# Altium PCB AMP.PcbDoc (part 5 of 5) (continued)
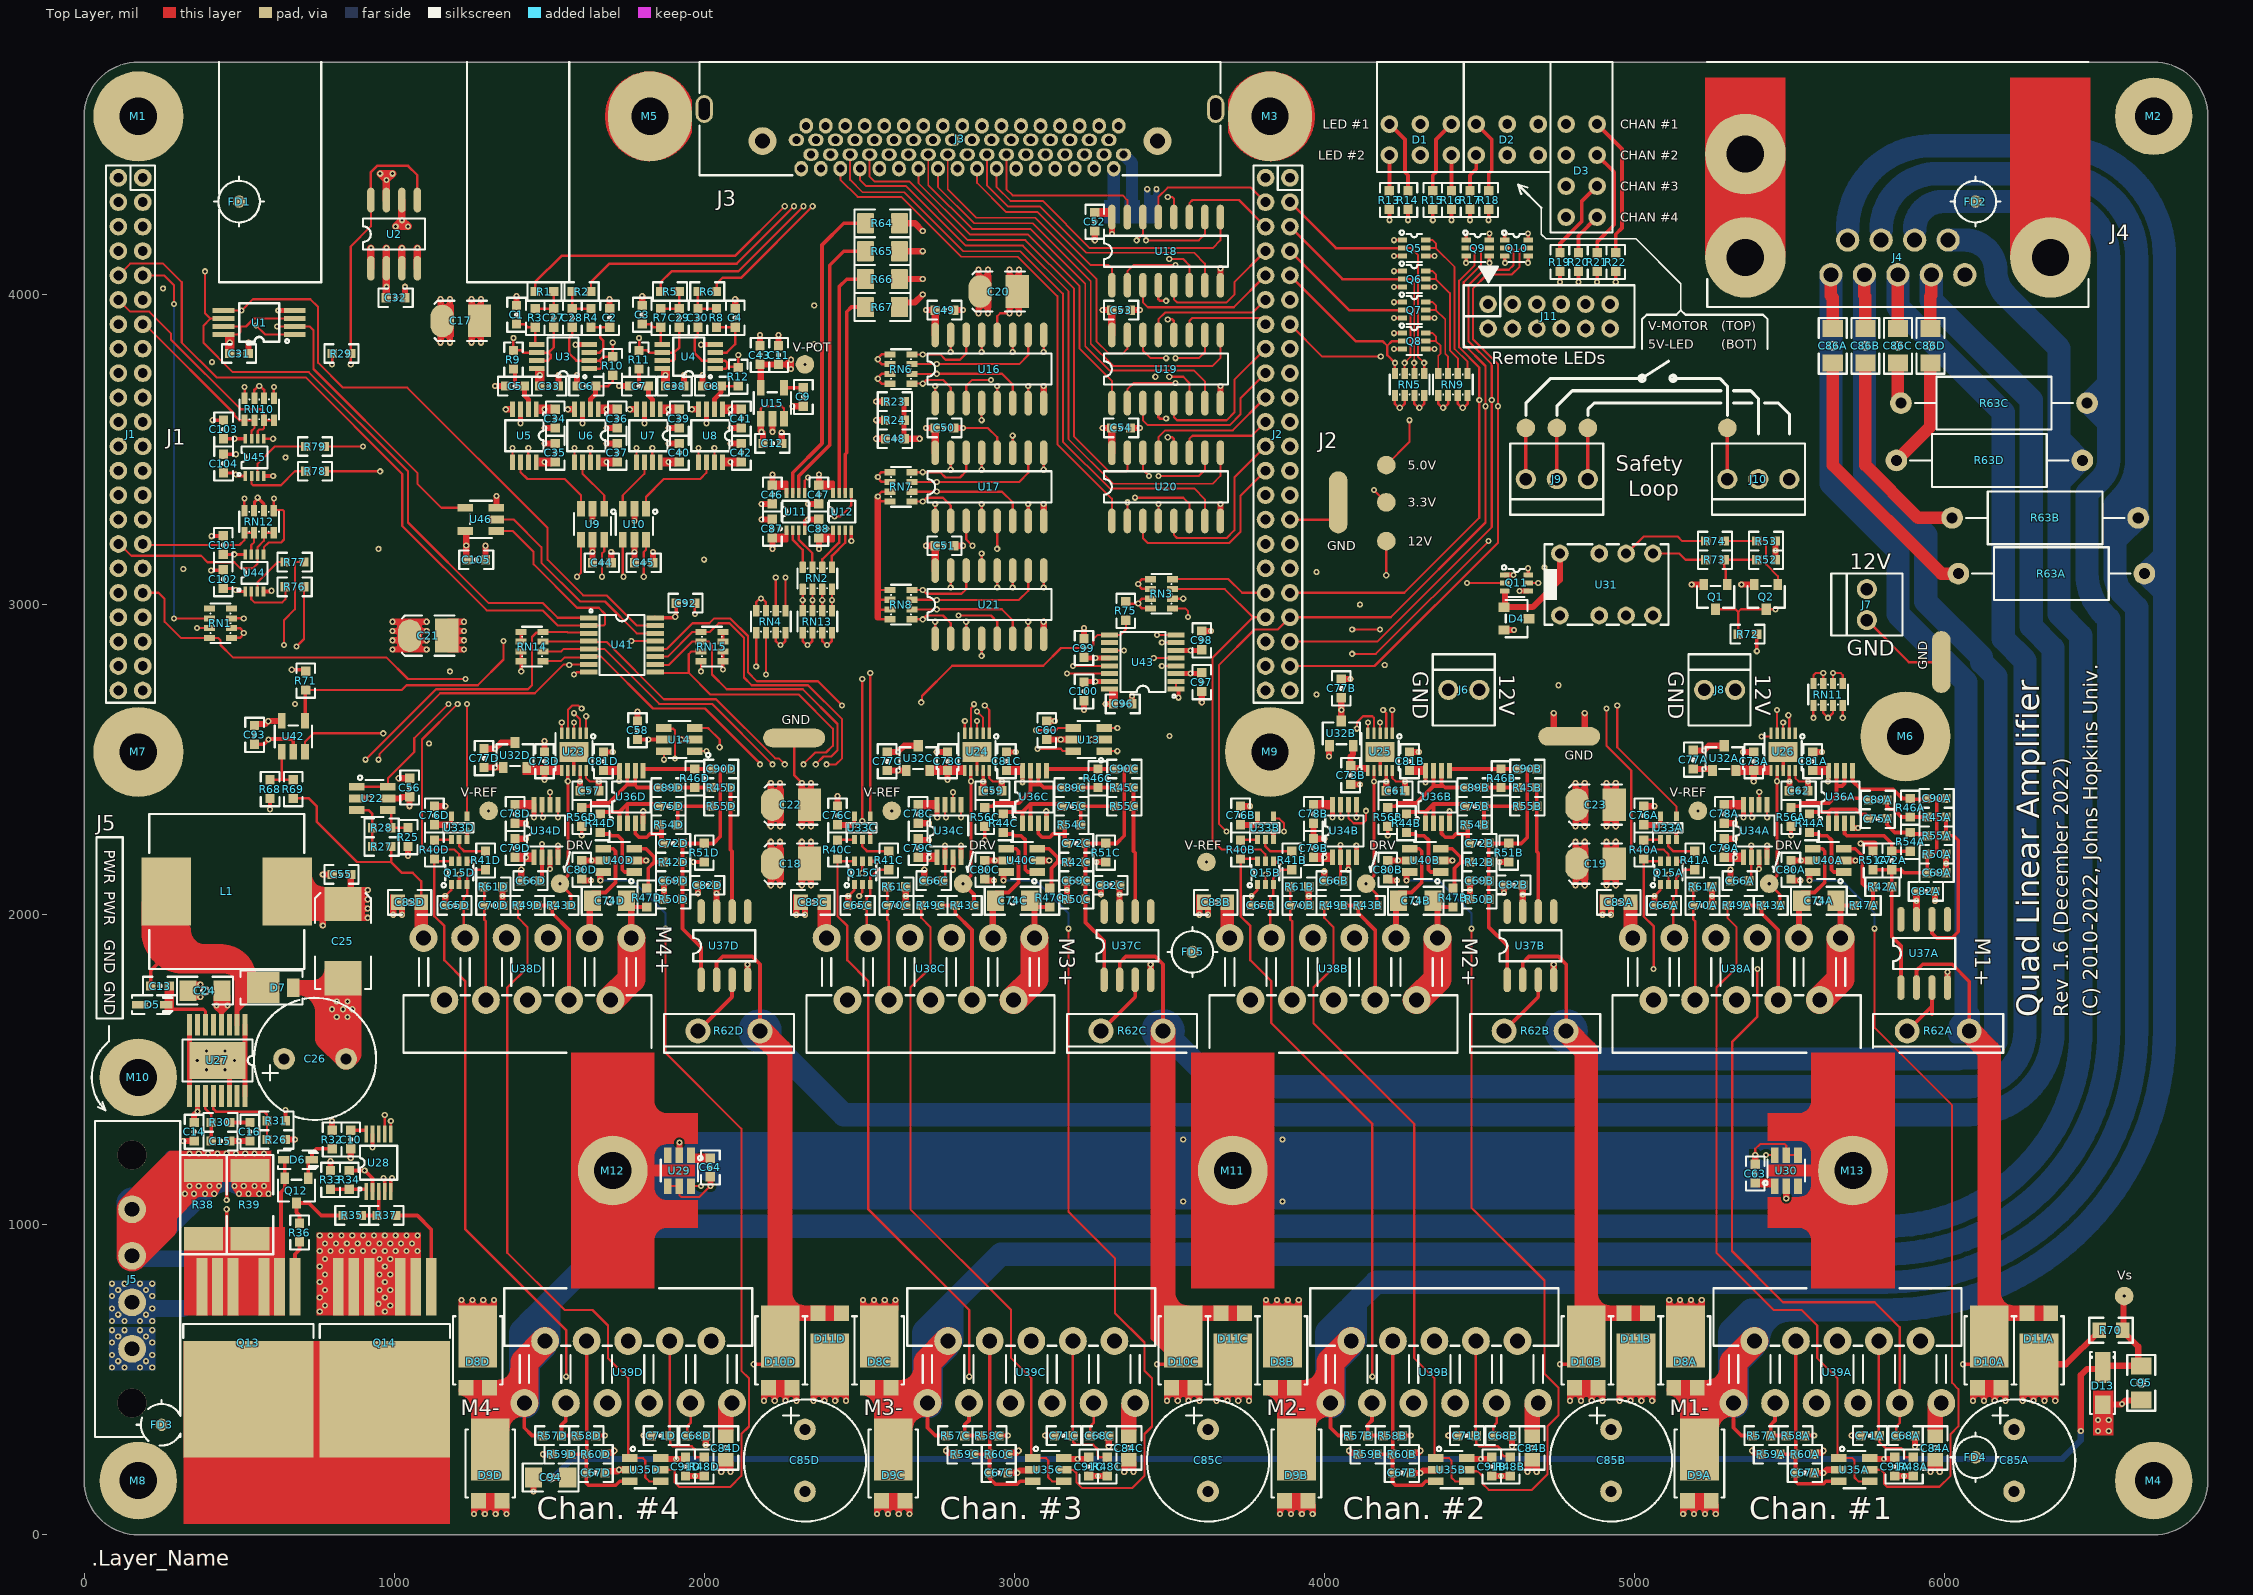
[diagram p0: Top Layer view]
## Polygon pours and split planes (outlines as drawn) (continued)
VCC on InternalPlane3 (split plane): 233 vertices, not listed, extent 20.03,1332.56 6057.44,4729.97
GND on InternalPlane3 (split plane): 6686.06,4729.6 6697.06,4728.42 6707.95,4726.46 6718.67,4723.72 6729.17,4720.23 6739.39,4715.99 6749.28,4711.04 6758.8,4705.39 6767.89,4699.08 6776.5,4692.14 6784.6,4684.6 6792.14,4676.5 6799.08,4667.89 6805.39,4658.8 6811.04,4649.28 6815.99,4639.39 6820.23,4629.17 6823.72,4618.67 6826.46,4607.95 6828.42,4597.06 6829.6,4586.06 6829.97,4575.71 6829.9,4575 6829.9,175 6829.97,174.29 6829.6,163.94 6828.42,152.94 6826.46,142.05 6823.72,131.33 6820.23,120.83 6815.99,110.61 6811.04,100.72 6805.39,91.2 6799.08,82.11 6792.14,73.5 6784.6,65.4 6776.5,57.86 6767.89,50.92 6758.8,44.61 6749.28,38.96 6739.39,34.01 6729.17,29.77 6718.67,26.28 6707.95,23.54 6697.06,21.58 6686.06,20.4 6675.71,20.03 6675,20.1 6417.56,20.1 6417.56,1675 6417.31,1676.96 6416.55,1678.78 6415.35,1680.35 6072.56,2023.13 6072.56,2150 6072.56,2325 6072.58,2325 6072.25,2333.44 6071.26,2341.83 6069.61,2350.11 6067.32,2358.24 6064.39,2366.17 6060.86,2373.84 6056.73,2381.21 6052.04,2388.24 6046.81,2394.87 6041.07,2401.07 6034.87,2406.81 6028.24,2412.04 6021.21,2416.73 6013.84,2420.86 6006.17,2424.39 5998.24,2427.32 5990.11,2429.61 5981.83,2431.26 5973.44,2432.25 5965,2432.58 5965,2432.56 5875,2432.56 5874.67,2432.52 5864.83,2432.87 5854.72,2433.96 5844.71,2435.77 5834.86,2438.28 5825.2,2441.49 5815.81,2445.39 5806.71,2449.94 5797.96,2455.13 5789.61,2460.93 5781.69,2467.31 5774.24,2474.24 5767.31,2481.69 5760.93,2489.61 5755.13,2497.96 5749.94,2506.71 5745.39,2515.81 5741.49,2525.2 5738.28,2534.86 5735.77,2544.71 5733.96,2554.72 5732.87,2564.83 5732.52,2574.67 5732.56,2575 5732.56,2725 5732.58,2725 5732.25,2735.31 5731.24,2745.57 5729.56,2755.74 5727.21,2765.79 5724.22,2775.65 5720.59,2785.3 5716.33,2794.7 5711.47,2803.79 5706.03,2812.55 5700.02,2820.93 5693.48,2828.9 5686.43,2836.43 5678.9,2843.48 5670.93,2850.02 5662.55,2856.03 5653.79,2861.47 5644.7,2866.33 5635.3,2870.59 5625.65,2874.22 5615.79,2877.21 5605.74,2879.56 5595.57,2881.24 5585.31,2882.25 5575,2882.58 5575,2882.56 5017.56,2882.56 5017.56,4729.9 6675,4729.9 6675.71,4729.97
VCC3 on InternalPlane3 (split plane): 226 vertices, not listed, extent 832.56,2222.56 6057.47,4287.44

## Keep-outs
MidLayer1:
  lines w5: 5,175 ccw(c175,175) 175,5 6675,5 ccw(c6675,175) 6845,175 6845,4575 ccw(c6675,4575) 6675,4745 175,4745 ccw(c175,4575) 5,4575 5,175
Bottom Layer:
  lines w5: 5,175 ccw(c175,175) 175,5 6675,5 ccw(c6675,175) 6845,175 6845,4575 ccw(c6675,4575) 6675,4745 175,4745 ccw(c175,4575) 5,4575 5,175

## Other copper
Top Layer:
  rectangle net V-REF1: 5755,2210 5785,2230
  rectangle net VCC3: 3305,2690 3335,2729
  rectangle net GND: 5703.39,2270 5722,2290
  rectangle net GND: 6480,320 6545,465
  rectangle net VCC3: 5580,2450 5625,2480
  rectangle net VCC: 2560,2952.76 2570,2965
  rectangle net PWR-IN: 255,1045 310,1100
  rectangle net PWR-IN: 260,1155 335,1200
  rectangle net VCC: 5300,2340 5345,2370
  rectangle net VCC: 3975,2340 4020,2370
  rectangle net VCC: 2700,2340 2745,2370
  rectangle net VCC: 1400,2340 1445,2370
  rectangle net V-MOTOR: 750,707.5 1087.5,975
  rectangle net NetQ13_4: 320,35 1180,625
  region net PWR-IN: 510,1135 485,1135 485,1115 510,1115
  rectangle net PWR-IN: 410,1115 435,1135
  rectangle net PWR-IN: 475,1125 505,1145
  rectangle net PWR-IN: 415,1125 445,1145
  rectangle net PWR-IN: 225,1090 420,1160
  rectangle net PWR-IN: 500,1090 605,1240
  rectangle net 12V: 710,1980 785,2090
  rectangle net GND: 745,1600 825,1655
  rectangle net NetC13_2: 245,1860 305,1970
  rectangle net /MOTOR4: 1247.5,362.5 1372.5,500
  rectangle net /MOTOR4: 1362.5,380 1420,500
  rectangle net PWR-IN: 180,940 260,1130
  rectangle net PWR-IN: 305,1170 605,1240
  rectangle net NetD6_2: 322.5,707.5 647.5,993
  rectangle net GND: 745,1600 895,1790
  rectangle net GND: 695,1740 765,1790
  region net GND: 5580,1194 5430,1194 5430,1156 5580,1156
  region net GND: 5580,1360 5430,1360 5430,1270 5580,1270
  region net GND: 5580,1068 5430,1068 5430,990 5580,990
  region net GND: 5473,1090 5430,1090 5430,1060 5473,1060
  region net GND: 5580,1090 5507,1090 5507,1060 5580,1060
  rectangle net GND: 1830,1260 1903,1290
  rectangle net GND: 1937,1260 1980,1290
  rectangle net GND: 1830,1282 1980,1360
  rectangle net GND: 1830,990 1980,1080
  rectangle net GND: 1830,1156 1970,1194
  rectangle net GND: 5570,795 5840,1555
  rectangle net GND: 3570,795 3840,1555
  rectangle net GND: 1570,795 1840,1555
  rectangle net MOTOR3: 3440,635 3530,740
  region net VCC3: 2010,1230 1965,1230 1965,1200 2010,1200
  rectangle net VCC3: 5400,1120 5445,1150
  rectangle net V-REF2: 3975,2170 4020,2200
  rectangle net V-REF3: 2700,2170 2745,2200
  rectangle net V-REF4: 1400,2170 1445,2200
  rectangle net V-REF1: 5300,2170 5345,2200
  rectangle net VCC3: 2975,2450 3025,2480
  rectangle net VCC3: 1675,2450 1720,2480
  rectangle net VCC3: 4270,2450 4330,2480
  region net GND: 6165,500 6115,500 6115,450 6165,450
  region net GND: 4865,500 4815,500 4815,450 4865,450
  region net GND: 3565,500 3515,500 3515,450 3565,450
  region net GND: 2265,500 2215,500 2215,450 2265,450
  region net GND: 1330,135 1280,135 1280,85 1330,85
  rectangle net GND: 4887,2013 4894,2065
  rectangle net GND: 3587,2013 3594,2065
  rectangle net GND: 987,2013 994,2065
  rectangle net GND: 2287,2013 2294,2065
  rectangle net /MOTOR1: 5147.5,362.5 5272.5,500
  rectangle net /MOTOR1: 5262.5,380 5320,500
  rectangle net /MOTOR2: 3847.5,362.5 3972.5,500
  rectangle net /MOTOR2: 3962.5,380 4020,500
  rectangle net /MOTOR3: 2662.5,380 2720,500
  rectangle net MOTOR1: 6200,690 6325,740
  rectangle net MOTOR2: 4900,690 5025,740
  rectangle net MOTOR3: 3600,690 3725,740
  rectangle net MOTOR4: 2300,690 2425,740
  region net GND: 1980,3620 1980,3640 1960,3640 1960,3620
  region net GND: 1780,3620 1780,3640 1760,3640 1760,3620
  region net GND: 1380,3620 1380,3640 1360,3640 1360,3620
  region net GND: 1580,3620 1580,3640 1560,3640 1560,3620
  region net VCC: 1890,3715 1890,3760 1860,3760 1860,3715
  region net VCC: 1485,3715 1485,3760 1455,3760 1455,3715
  region net VCC: 2110,3475 2065,3475 2065,3445 2110,3445
  region net V-POT: 2110,3645 2065,3645 2065,3615 2110,3615
  region net VCC: 1910,3475 1865,3475 1865,3445 1910,3445
  region net V-POT: 1910,3645 1865,3645 1865,3615 1910,3615
  region net VCC: 1710,3475 1665,3475 1665,3445 1710,3445
  region net V-POT: 1710,3645 1665,3645 1665,3615 1710,3615
  region net V-POT: 1510,3645 1465,3645 1465,3615 1510,3615
  region net VCC: 1510,3475 1465,3475 1465,3445 1510,3445
  region net VCC3: 485,3820 485,3865 455,3865 455,3820
  rectangle net V-REF4: 1475,2435 1495,2475
  rectangle net V-REF4: 1414,2450 1540,2483
  rectangle net V-MOTOR: 2045,335 2095,425
  rectangle net V-MOTOR: 3345,335 3395,425
  rectangle net V-MOTOR: 4645,335 4695,425
  rectangle net V-MOTOR: 5945,335 5995,425
  region net GND: 2630,135 2580,135 2580,85 2630,85
  region net GND: 3930,135 3880,135 3880,85 3930,85
  region net GND: 5230,135 5180,135 5180,85 5230,85
  rectangle net VCC3: 3265,4250 3315,4280
  rectangle net V-REF3: 2714,2450 2840,2483
  rectangle net V-REF3: 2775,2435 2795,2475
  rectangle net V-REF1: 5375,2430 5395,2470
  rectangle net V-REF1: 5314,2450 5440,2483
  rectangle net V-REF2: 4070,2460 4140,2483
  rectangle net GND: 5228,4120 5488,4700
  rectangle net GND: 6212,4120 6472,4700
  rectangle net NetC13_1: 260,1690 290,1760
  rectangle net /MOTOR3: 2547.5,362.5 2672.5,500
  region net VCC3: 2265.47,3200 2265.47,3230 2225,3230 2225,3200
  region net VCC: 2225,3400 2225,3370 2265.47,3370 2265.47,3400
  region net VCC: 2375,3400 2375,3370 2415.47,3370 2415.47,3400
  region net VCC3: 2415.47,3200 2415.47,3230 2375,3230 2375,3200
  text ".Layer_Name" at 25,-100 h50
MidLayer1:
  rectangle net PWR-IN: 320,1071.79 361.79,1120
  rectangle net PWR-IN: 250,1090 420,1180
  rectangle net PWR-IN: 500,1090 605,1240
  rectangle net PWR-IN: 285,1170 605,1240
  rectangle net PWR-IN: 415,1110 505,1175
  region net GND: 230,680 230,820 80,820 80,680
  region net GND: 230,530 230,670 80,670 80,530
  pour cut-out: 2340,3805 2395,3805 2395,3750 2340,3750
  text ".Layer_Name" at 25,-100 h50
Bottom Layer:
  rectangle net GND: 3460,1050 5370,1300
  rectangle net PWR-IN: 335,1075 355,1105
  rectangle net GND: 5440,1110 5460,1160
  rectangle net GND: 5385,1055 5470,1115
  rectangle net GND: 5360,1060 5400,1165
  rectangle net GND: 5360,1155 5455,1205
  rectangle net GND: 5445,1105 5625,1255
  rectangle net GND: 1755,1095 1900,1290
  rectangle net GND: 2010,1145 2050,1290
  rectangle net GND: 1940,1235 2020,1290
  rectangle net GND: 1890,1100 1970,1245
  rectangle net GND: 1965,1145 2020,1195
  rectangle net GND: 1700,1285 2040,1300
  rectangle net GND: 1705,1050 2050,1105
  rectangle net GND: 5360,1050 5525,1065
  rectangle net GND: 5510,1050 5700,1125
  rectangle net GND: 5355,1245 5705,1300
  rectangle net GND: 2040,1050 3525,1300
  rectangle net PWR-IN: 280,1090 420,1240
  rectangle net PWR-IN: 500,1090 605,1240
  rectangle net PWR-IN: 415,1110 505,1240
  region net GND: 230,680 230,820 80,820 80,680
  region net GND: 230,530 230,670 80,670 80,530
  rectangle net V-POT: 3290,4230 3341,4305
  rectangle net PIN-34: 3355,4230 3405,4305
  rectangle net GND: 3419,4230 3469,4305
  text ".Layer_Name" at 25,-100 h50
InternalPlane1 (plane layer: these items are gaps in the copper):
  lines w10: 2286,4393.74 cw(c2313.19,4406.42) 2286,4419.1 ; 2300.51,4379.23 ccw(c2313.19,4406.42) 2325.87,4379.23 ; 2300.51,4433.61 cw(c2313.19,4406.42) 2313.19,4436.42 ; 2301.75,4531.53 cw(c2328.94,4544.21) 2301.75,4556.89 ; 2316.26,4571.4 cw(c2328.94,4544.21) 2341.62,4571.4 ; 2344.68,4385.63 2344.68,4421.69 ; 2360.43,4528.94 2360.43,4565 ; 2363.5,4379.23 ccw(c2376.18,4406.42) 2388.86,4379.23 ; 2379.25,4571.4 cw(c2391.93,4544.21) 2404.61,4571.4 ; 2407.68,4385.63 2407.68,4421.69 ; 2423.43,4528.94 2423.43,4565 ; 2990.35,4528.94 2990.35,4565 ; 3009.17,4571.4 cw(c3021.85,4544.21) 3034.53,4571.4 ; 3053.35,4528.94 3053.35,4565 ; 3072.16,4571.4 cw(c3084.84,4544.21) 3097.52,4571.4 ; 3116.34,4528.94 3116.34,4565 ; 3135.16,4571.4 cw(c3147.83,4544.21) 3160.51,4571.4 ; 3179.33,4528.94 3179.33,4565 ; 3198.15,4571.4 cw(c3210.83,4544.21) 3223.51,4571.4 ; 3242.32,4528.94 3242.32,4565 ; 3261.14,4571.4 cw(c3273.82,4544.21) 3286.5,4571.4 ; 3305.31,4468.94 ccw(c3305.31,4498.94) 3328.3,4479.65 ; 3305.32,4528.94 3305.32,4565 ; 3324.13,4571.4 cw(c3336.81,4544.21) 3349.49,4571.4 ; 3331.3,4513.94 cw(c3305.31,4498.94) 3335.31,4498.94 ; 3331.6,4514.67 ccw(c3336.81,4544.21) 3349.49,4517.02 ; 3364,4531.53 ccw(c3336.81,4544.21) 3364,4556.89
  text ".Layer_Name" at 25,-100 h50
InternalPlane2 (plane layer: these items are gaps in the copper):
  lines w10: 2286,4393.74 cw(c2313.19,4406.42) 2286,4419.1 ; 2300.51,4433.61 cw(c2313.19,4406.42) 2313.19,4436.42 ; 2301.75,4531.53 cw(c2328.94,4544.21) 2301.75,4556.89 ; 2316.26,4571.4 cw(c2328.94,4544.21) 2341.62,4571.4 ; 2344.68,4385.63 2344.68,4421.69 ; 2360.43,4528.94 2360.43,4565 ; 2379.25,4571.4 cw(c2391.93,4544.21) 2404.61,4571.4 ; 2407.68,4385.63 2407.68,4421.69 ; 2423.43,4528.94 2423.43,4565 ; 2990.35,4528.94 2990.35,4565 ; 3009.17,4571.4 cw(c3021.85,4544.21) 3034.53,4571.4 ; 3053.35,4528.94 3053.35,4565 ; 3072.16,4571.4 cw(c3084.84,4544.21) 3097.52,4571.4 ; 3116.34,4528.94 3116.34,4565 ; 3135.16,4571.4 cw(c3147.83,4544.21) 3160.51,4571.4 ; 3179.33,4528.94 3179.33,4565 ; 3198.15,4571.4 cw(c3210.83,4544.21) 3223.51,4571.4 ; 3242.32,4528.94 3242.32,4565 ; 3261.14,4571.4 cw(c3273.82,4544.21) 3286.5,4571.4 ; 3305.31,4468.94 ccw(c3305.31,4498.94) 3328.3,4479.65 ; 3305.32,4528.94 3305.32,4565 ; 3324.13,4571.4 cw(c3336.81,4544.21) 3349.49,4571.4 ; 3331.3,4513.94 cw(c3305.31,4498.94) 3335.31,4498.94 ; 3331.6,4514.67 ccw(c3336.81,4544.21) 3349.49,4517.02 ; 3364,4531.53 ccw(c3336.81,4544.21) 3364,4556.89
  lines w15: 0,2650 1080,2650 1280,2850 1280,3395 652.56,4022.44 285.72,4022.44 269.14,4005.86 cw(c255,4020) 240.86,4005.86 224.28,4022.44 0,4022.44 ; 925,4300 3035,4300 3100.59,4365.59 3100.59,4406.42 ; 1280,2140 1280,2395 1370,2485 2415,2485 2725,2795 3275,2795 3315,2755 3315,2675 3125,2485 2670,2485 2580,2395 2580,2140 ; 2275,4200 2275,3840 2255,3820 2120,3685 1460,3685 1460,3605 2210,3605 2425,3820 2425,4025 2565,4165 3165,4165 3352.56,4352.56 3352.56,4406.42 ccw(c3321.06,4406.42) 3289.57,4406.42 ccw(c3258.07,4406.42) 3226.57,4406.42 ; 3225,2795 3225,2835 3265,2875 ; 3445,2140 3450,2145 ; 3450,2140 3450,2875 3265,2875 ; 4590,2140 4590,2235 4325,2500 3765,2500 3540,2725 3540,2790 3565,2815 ; 3100.59,4406.42 cw(c3132.09,4406.42) 3163.58,4406.42 cw(c3195.08,4406.42) 3226.57,4406.42 ; 3100.59,4406.42 ccw(c3069.09,4406.42) 3037.6,4406.42 ccw(c3006.1,4406.42) 2974.61,4406.42 2974.61,4379.61 2960,4365 2275,4365 2215,4425 925,4425 925,4200 2390,4200 2425,4235 3135,4235 3226.57,4326.57 3226.57,4406.42 ; 3265,2875 3585,2875 3605,2855 3605,2815 3565,2815 ; 3565,2815 4150,2815 ; 4150,2815 4150,3090 4200,3140 5775,3140 6000,2915 6000,2195 5780,1975 1070,1975 1045,1950 870,1950 870,2140 5668.28,2140 5744.14,2215.86 ccw(c5730,2230) 5744.14,2244.14 5498.28,2490 4475,2490 4150,2815 ; 2660,2890 2660,3870 3130,3870 3130,2890 2660,2890
  text ".Layer_Name" at 25,-100 h50
InternalPlane3 (plane layer: these items are gaps in the copper):
  rectangle: 80,530 230,820
  lines w15: 0,1325 380,1325 400,1345 400,1395 335,1460 335,1780 560,2005 965,2005 980,2020 1888,2020 ; 1888.28,2020 3188,2020 ; 3188.28,2020 4488,2020 ; 4488.28,2020 6065,2020 ; 5010,2875 5010,4750 ; 6065,2225 5780,2225 5485,2225 5405,2305 5405,2320 5390,2335 5235,2335 5215,2315 5150,2315 5095,2260 4455,2260 4410,2215 4170,2215 4080,2305 4080,2320 4065,2335 3875,2335 3765,2225 3010,2225 2885,2225 2805,2305 2805,2320 2790,2335 2635,2335 2515,2215 1705,2215 1595,2215 1505,2305 1505,2320 1490,2335 1335,2335 1245,2245 860,2245 825,2280 825,2840 1285,3300 2050,3300 2545,3300 2590,3345 2590,4125 2760,4295 3690,4295 3726.34,4258.66 3936.34,4258.66 3975,4220 3975,4015 4200,3790 4200,3200 4525,2875 5575,2875 cw(c5575,2725) 5725,2725 5725,2575 ccw(c5875,2575) 5875,2425 5965,2425 cw(c5965,2325) 6065,2325 6065,2150 6065,2020 ; 6410,0 6410,1675 6065,2020
  text ".Layer_Name" at 25,-100 h50

## Silkscreen, mask and mechanical layers (free items; w line width, h text height)
Top Overlay:
  circle w10: c5125,3730 r10
  circle w10: c5025,3730 r10
  lines w5: 4700,4280 4700,4195 4715,4180 5005,4180 5150,4035 5150,3950
  lines w7: 45,1380 68.93,1368.93 ; 60,1395 68.93,1368.93 ; 80,1640 80,1592.13 68.93,1581.07 ccw(c175,1475) 68.93,1368.93 ; 435,4275 435,4040 765,4040 765,4750 ; 435,4325 435,4750 ; 1235,4750 1235,4040 1565,4040 1565,4750 ; 1635,2350 1655,2350 ; 2935,2350 2955,2350 ; 4635,4325 4625,4355 ; 4655,4345 4625,4355 ; 4700,4280 4625,4355 ; 5025,3825 5025,3920 5040,3935 5135,3935 5150,3950 5165,3935 5415,3935 5430,3920 5430,3825 ; 5535,2320 5535,2340 ; 5535,2350 5555,2350 ; 40,1665 125,1665 125,2250 40,2250 40,1665 ; 4500,4090 4560,4090 4530,4040 4500,4090
  lines w8: 1547.18,2154.13 1550.35,2138.64 ; 1560.84,2150.47 1550.35,2138.64 ; 1567.18,2201.42 1550.35,2138.64 ; 2847.18,2154.13 2850.35,2138.64 ; 2860.84,2150.47 2850.35,2138.64 ; 2867.18,2201.42 2850.35,2138.64 ; 4147.18,2154.13 4150.35,2138.64 ; 4160.84,2150.47 4150.35,2138.64 ; 4167.18,2201.42 4150.35,2138.64 ; 5447.18,2154.13 5450.35,2138.64 ; 5460.84,2150.47 5450.35,2138.64 ; 5467.18,2201.42 5450.35,2138.64
  lines w10: 4650,3610 4650,3650 4730,3730 5025,3730 5110,3785 ; 4750,3610 4750,3640 4800,3690 5280,3690 ; 4850,3610 4850,3630 4870,3650 5280,3650 ; 5125,3730 5275,3730 5300,3705 5300,3610 ; 5320,3650 5380,3650 ; 5320,3690 5375,3690 5400,3665 5400,3550 ; 5420,3650 5465,3650 5500,3615 5500,3550
  lines w16: 4520,4070 4540,4070 ; 4510,4085 4530,4050 4550,4085 4510,4085
  text "LED #1" at 3995,4535 h30
  text "CHAN #1" at 4955,4535 h30
  text "LED #2" at 3980,4435 h30
  text "CHAN #2" at 4955,4435 h30
  text "CHAN #3" at 4955,4335 h30
  text "J3" at 2040,4285 h50
  text "CHAN #4" at 4955,4235 h30
  text "J4" at 6535,4175 h50
  text "V-MOTOR" at 5045,3885 h30
  text "(TOP)" at 5280,3885 h30
  text "5V-LED" at 5045,3825 h30
  text "(BOT)" at 5280,3825 h30
  text "V-POT" at 2285,3815 h30
  text "Remote LEDs" at 4540,3775 h40
  text "J1" at 265,3515 h50
  text "J2" at 3980,3505 h50
  text "5.0V" at 4270,3435 h30
  text "Safety" at 4940,3430 h50
  text "Loop" at 4980,3350 h50
  text "3.3V" at 4270,3315 h30
  text "12V" at 4270,3190 h30
  text "GND" at 4010,3175 h30
  text "12V" at 5695,3115 h50
  text "GND" at 5685,2835 h50
  text "GND" at 5945,2790 h30 r90
  text "GND" at 4285,2785 h50 r270
  text "GND" at 5110,2785 h50 r270
  text "12V" at 4565,2775 h50 r270
  text "12V" at 5390,2775 h50 r270
  text "GND" at 2250,2615 h30
  text "GND" at 4775,2500 h30
  text "V-REF" at 1215,2380 h30
  text "V-REF" at 2515,2380 h30
  text "V-REF" at 5115,2380 h30
  text "J5" at 40,2270 h50
  text "PWR" at 65,2210 h35 r270
  text "DRV" at 1555,2210 h30
  text "DRV" at 2855,2210 h30
  text "V-REF" at 3550,2210 h30
  text "DRV" at 4145,2210 h30
  text "DRV" at 5455,2210 h30
  text "PWR" at 65,2075 h35 r270
  text "M4+" at 1845,1965 h50 r270
  text "M3+" at 3145,1925 h50 r270
  text "M2+" at 4445,1925 h50 r270
  text "M1+" at 6100,1925 h50 r270
  text "GND" at 65,1920 h35 r270
  text "GND" at 65,1785 h35 r270
  text "Quad Linear Amplifier" at 6330,1670 h125 r90
  text "Rev 1.6 (December 2022)" at 6415,1670 h80 r90
  text "(C) 2010-2022, Johns Hopkins Univ." at 6510,1670 h80 r90
  text "Vs" at 6557,822 h30
  text "M4-" at 1215,385 h50
  text "M3-" at 2515,385 h50
  text "M2-" at 3815,385 h50
  text "M1-" at 5115,385 h50
  text "Chan. #4" at 1460,50 h72
  text "Chan. #3" at 2760,50 h72
  text "Chan. #2" at 4060,50 h72
  text "Chan. #1" at 5370,50 h72
  text ".Layer_Name" at 25,-100 h50
Bottom Overlay:
  lines w7: 2245,4405 2245,4425 2270,4450 2305,4450 ; 2290,4440 2305,4450 ; 2290,4460 2305,4450 ; 3375,4355 3385,4340 ; 3380,4500 3390,4510 3390,4550 3400,4560 ; 3395,4355 3385,4340 ; 3420,4380 3400,4380 3385,4365 3385,4340 ; 3110,4210 3590,4210 3590,4325 3355,4325 3290,4325 3110,4325 3110,4210
  text "PIN 34" at 3600,4365 h30
  text "15" at 2770,4360 h30 r90
  text "25" at 3085,4360 h30 r90
  text "5" at 2445,4330 h30
  text "V-POT" at 3270,4250 h30
  text "GND" at 3570,4250 h30
  text "5" at 265,4200 h30
  text "Pin 34 Configuration" at 3665,4150 h35
  text "10" at 3750,4045 h30
  text "5" at 4695,4020 h30
  text "1" at 4470,3955 h30
  text "11" at 5015,3955 h30
  text "2" at 4470,3875 h30
  text "12" at 5015,3875 h30
  text "POT3" at 1641,3856.36 h30
  text "POT2" at 1970,3845 h30
  text "15" at 290,3810 h30
  text "10" at 4865,3810 h30
  text "POT1" at 1425,3765 h30
  text "POT4" at 2165,3710 h30
  text "V-POT" at 2382,3680 h30
  text "20" at 3750,3655 h30
  text "25" at 295,3415 h30
  text "GND" at 1245,3365 h30
  text "GND" at 2445,3365 h30
  text "30" at 3750,3260 h30
  text "35" at 295,3020 h30
  text "40" at 3750,2865 h30
  text "CUR" at 1940,2390 h30
  text "CUR" at 3240,2390 h30
  text "CUR" at 4540,2390 h30
  text "V-REF" at 1365,2380 h30
  text "V-REF" at 2665,2380 h30
  text "V-REF" at 5265,2380 h30
  text "CUR" at 5735,2365 h30
  text "Chan. #4" at 1810,2175 h72
  text "Chan. #3" at 3110,2175 h72
  text "V-REF" at 3685,2175 h30
  text "Chan. #2" at 4410,2175 h72
  text "Chan. #1" at 5710,2175 h72
  text "GND" at 845,2165 h30
  text "GND" at 2145,2165 h30
  text "GND" at 3445,2165 h30
  text "GND" at 4745,2165 h30
  text "DRV" at 1490,2095 h30
  text "DRV" at 2790,2095 h30
  text "DRV" at 4070,2095 h30
  text "DRV" at 5390,2095 h30
  text ".Layer_Name" at 25,-100 h50
Top Paste:
  rectangle: 1155,3862.5 1192.5,3967.5
  rectangle: 1050,2847.5 1087.5,2952.5
  rectangle: 2220,2302.5 2257.5,2407.5
  rectangle: 2220,2112.5 2257.5,2217.5
  rectangle: 4815,2112.5 4852.5,2217.5
  rectangle: 4815,2302.5 4852.5,2407.5
  rectangle: 1533,2492.5 1627,2557.5
  rectangle: 2833,2492.5 2927,2557.5
  rectangle: 4133,2492.5 4227,2557.5
  rectangle: 5433,2492.5 5527,2557.5
  text ".Layer_Name" at 25,-100 h50
Bottom Paste:
  text ".Layer_Name" at 25,-100 h50
Top Solder:
  rectangle: 5566,791 5844,1559
  rectangle: 3566,791 3844,1559
  rectangle: 1566,791 1844,1559
  rectangle: 5224,4120 5492,4704
  rectangle: 6208,4120 6476,4705
  text ".Layer_Name" at 25,-100 h50
Bottom Solder:
  rectangle: 3287,4227 3344,4308
  rectangle: 3352,4227 3408,4308
  rectangle: 3416,4227 3472,4308
  lines w60: 805,2250 805,2350 ; 1205,3450 1205,3550 ; 2105,2250 2105,2350 ; 2405,3450 2405,3550 ; 3405,2250 3405,2350 ; 4705,2250 4705,2350
  text ".Layer_Name" at 25,-100 h50
Mechanical 1:
  the board outline again, w5
Mechanical 2:
  circle w5: c4735,2915 r10
  lines w5: 4505,4008.74 4528.15,3969.37 4551.3,4008.74 ; 4710,3040 ccw(c4710,3065) 4710,3090 ; 75,550 75,650 125,625 125,650 250,650 250,550 125,550 125,575 75,550 ; 75,700 75,800 125,775 125,800 250,800 250,700 125,700 125,725 75,700 ; 75,850 75,950 125,925 125,950 250,950 250,850 125,850 125,875 75,850 ; 75,1000 125,1025 125,1000 250,1000 250,1100 125,1100 125,1075 75,1100 75,1000
  lines w10: 3300,-700 3300,-125 7025,-125 ; 3300,-550 7025,-550 ; 3300,-420 5250,-420 ; 5250,-550 5250,-125 ; 6400,-700 6400,-550 ; -175,-700 -175,4925 7025,4925 7025,-700 -175,-700
  text "Title:" at 3350,-225 h100
  text "Johns Hopkins University" at 5300,-275 h150
  text "Quad Linear Amplifier (QLA)" at 3400,-350 h150
  text "Top Assembly Drawing" at 350,-375 h200
  text "Laboratory for Computational" at 5375,-400 h100
  text "Sensing and Robotics" at 5375,-500 h100
  text "Date:" at 3350,-515 h100
  text ".Print_Date" at 3625,-515 h100
  text "Rev:" at 4725,-515 h100
  text "1.5" at 5000,-515 h100
  text "File:" at 3350,-650 h100
  text ".Pcb_File_Name_No_Path" at 3625,-650 h100
  text "Page 1 of 1" at 6450,-650 h100
Mechanical 16:
  lines w7: 1030,800 1030,1550 6380,1550 6380,800 1030,800
  lines w25: 1430,1450 1430,1550 ; 1755,800 1755,900 ; 2080,1450 2080,1550 ; 2730,1450 2730,1550 ; 3055,800 3055,900 ; 3380,1450 3380,1550 ; 4030,1450 4030,1550 ; 4355,800 4355,900 ; 4680,1450 4680,1550 ; 5330,1450 5330,1550 ; 5655,800 5655,900 ; 5980,1450 5980,1550
  text "4-40 Thread" at 1940,1370 h40
  text "4-40 Thread" at 3240,1370 h40
  text "4-40 Thread" at 4540,1370 h40
  text "4-40 Thread" at 5840,1370 h40
  text "6-32 Thread" at 1285,1365 h40
  text "6-32 Thread" at 2585,1365 h40
  text "6-32 Thread" at 3885,1365 h40
  text "6-32 Thread" at 5185,1365 h40
  text "0.675 High" at 1975,1295 h40
  text "0.675 High" at 3275,1295 h40
  text "0.675 High" at 4575,1295 h40
  text "0.675 High" at 5875,1295 h40
  text "0.750 High" at 1320,1285 h40
  text "0.750 High" at 2620,1285 h40
  text "0.750 High" at 3920,1285 h40
  text "0.750 High" at 5220,1285 h40
  text "6-32 Thread" at 1555,1005 h40
  text "6-32 Thread" at 2855,1005 h40
  text "6-32 Thread" at 4155,1005 h40
  text "6-32 Thread" at 5455,1005 h40
  text "All must have 0.375\"" at 2155,940 h40
  text "0.750 High" at 1590,925 h40
  text "0.750 High" at 2890,925 h40
  text "0.750 High" at 4190,925 h40
  text "0.750 High" at 5490,925 h40
  text "of useable thread" at 2155,865 h40
Drill Drawing:
  circle w25: c7435,4255 r12
  circle w25: c7435,4130 r12
  lines w10: 7030,-265 7030,310 10505,310 ; 7030,-115 10505,-115 ; 7030,15 8730,15 ; 8150,785 8150,905 ; 8150,805 8750,805 ; 8150,825 8750,825 ; 8150,845 8750,845 ; 8150,865 8750,865 ; 8150,885 8750,885 ; 8150,1335 8150,1455 ; 8150,1355 8750,1355 ; 8150,1375 8750,1375 ; 8150,1395 8750,1395 ; 8150,1415 8750,1415 ; 8150,1435 8750,1435 ; 8150,1885 8150,2005 ; 8150,1905 8750,1905 ; 8150,1925 8750,1925 ; 8150,1945 8750,1945 ; 8150,1965 8750,1965 ; 8150,1985 8750,1985 ; 8275,1060 8395,1180 ; 8275,1180 8395,1060 ; 8275,1610 8395,1730 ; 8275,1730 8395,1610 ; 8280,1060 8160,1180 8160,1060 8280,1180 ; 8280,1610 8160,1730 8160,1610 8280,1730 ; 8390,1060 8510,1180 8630,1060 8750,1180 8750,1060 8630,1180 8510,1060 8390,1180 ; 8390,1610 8510,1730 8630,1610 8750,1730 8750,1610 8630,1730 8510,1610 8390,1730 ; 8730,-115 8730,310 ; 8750,785 8750,905 ; 8750,1335 8750,1455 ; 8750,1885 8750,2005 ; 9880,-265 9880,-115 ; 7755,785 7755,905 9220,905 9220,785 7755,785 ; 7755,1060 7755,1180 9220,1180 9220,1060 7755,1060 ; 7755,1335 9220,1335 9220,1455 7755,1455 7755,1335 ; 7755,1610 7755,1730 9220,1730 9220,1610 7755,1610 ; 7755,1885 9220,1885 9220,2005 7755,2005 7755,1885
  lines w15: -400,-275 -400,7100 10505,7100 10505,-265 -400,-265
  text "Drill Legend:" at 225,6825 h200
  text ".Legend" at 300,5200 h58
  text "Notes:" at 7150,4650 h200
  text "1." at 7250,4500 h110
  text "Unless specified otherwise, all dimensions are in inches." at 7400,4500 h110
  text "_" at 9541,4365 h110
  text "2." at 7250,4350 h110
  text "Unless specified otherwise, all tolerances are +0.005, except:" at 7400,4350 h110
  text "_" at 8400,4240 h110
  text "Hole diameters are +0.003 for holes larger than 0.020" at 7500,4225 h110
  text "Hole diameters are +0.003 -dia. for holes 0.020 and smaller." at 7500,4100 h110
  text "3." at 7250,3950 h110
  text "All holes of diameter 0.020 and greater MUST remain open." at 7400,3950 h110
  text "Smaller holes may be open or plugged." at 7475,3825 h110
  text "4." at 7250,3675 h110
  text "Material: FR4 (170TG)" at 7400,3675 h110
  text "5." at 7250,3525 h110
  text "Finish: ENIG" at 7400,3525 h110
  text "6." at 7250,3375 h110
  text "RoHS Compliant: Yes" at 7400,3375 h110
  text "7." at 7250,3225 h110
  text "Solder Mask: Green LPI" at 7400,3225 h110
  text "8." at 7250,3075 h110
  text "Silk Screen: White" at 7400,3075 h110
  text "9." at 7250,2925 h110
  text "Board must be fabricated to IPC-6012B Class 2." at 7400,2925 h110
  text "10." at 7200,2775 h110
  text "Vendor and process must be UL 94V-0 approved." at 7400,2775 h110
  text "11." at 7200,2625 h110
  text "The board must be marked with Vendor ID, Date Code," at 7400,2625 h110
  text "UL 94V-0 Cert and any other relevant vendor data." at 7500,2500 h110
  text "_" at 8580,2365 h110
  text "12." at 7200,2350 h110
  text "Board Thickness: 62 mil, +10%" at 7400,2350 h110
  text "13." at 7200,2200 h110
  text "Layer Order and Finished Thickness:" at 7400,2200 h110
  text "Top Layer" at 7680,2050 h100
  text "1.8 mils Copper" at 9240,2050 h100
  text "Prepreg" at 7785,1915 h100
  text "6.0 mils" at 8850,1910 h100
  text "Internal Plane 1" at 7680,1775 h100
  text "2.8 mils Copper (2 Oz)" at 9240,1775 h100
  text "12.0 mils" at 8800,1645 h100
  text "Core" at 7785,1640 h100
  text "Internal Layer 1" at 7680,1500 h100
  text "1.4 mils Copper (1 Oz)" at 9250,1475 h100
  text "Prepreg" at 7785,1365 h100
  text "12.0 mils" at 8800,1360 h100
  text "Internal Plane 2" at 7680,1225 h100
  text "1.4 mils Copper (1 Oz)" at 9240,1225 h100
  text "Core" at 7785,1090 h100
  text "12.0 mils" at 8800,1085 h100
  text "Internal Plane 3" at 7680,950 h100
  text "2.8 mils Copper (2 Oz)" at 9250,925 h100
  text "Prepreg" at 7785,815 h100
  text "6.0 mils" at 8850,810 h100
  text "Bottom Layer" at 7680,675 h100
  text "1.8 mils Copper" at 9240,675 h100
  text "Title:" at 7080,210 h100
  text "Johns Hopkins University" at 8780,160 h150
  text "Quad Linear Amplifier" at 7180,85 h150
  text "Laboratory for Computational" at 8855,35 h100
  text "Sensing and Robotics" at 8855,-65 h100
  text "Date:" at 7080,-80 h100
  text ".Print_Date" at 7355,-80 h100
  text "Rev:" at 8205,-80 h100
  text "1.6" at 8480,-80 h100
  text "File:" at 7080,-215 h100
  text ".Pcb_File_Name_No_Path" at 7355,-215 h100
  text "Sheet 1 of 1" at 9930,-215 h100

## Dimensions
0,4700 to 6850,4700 on Drill Drawing
50,0 to 50,4750 on Drill Drawing

## Text inside footprints (layer, text, board x,y; h text height)
J3: Bottom Overlay "68" at 3365,4590 h32; Bottom Overlay "33" at 3345,4340 h28; Bottom Overlay "1" at 2315,4330 h32; Bottom Overlay "36" at 2345,4640 h32 r90; Bottom Overlay "2" at 2255,4355 h32; Bottom Overlay "35" at 2255,4580 h32; Bottom Overlay "67" at 3455,4580 h32; Bottom Overlay "40" at 2470,4640 h32 r90; Bottom Overlay "50" at 2790,4640 h32 r90; Bottom Overlay "60" at 3100,4640 h32 r90
J4: Bottom Overlay "5" at 6145,4050 h32; Bottom Overlay "9" at 6095,4160 h32; Bottom Overlay "6" at 5630,4160 h32; Bottom Overlay "1" at 5570,4045 h32
J5: Bottom Overlay "1" at 55,585 h35; Bottom Overlay "4" at 65,1025 h35
U38A: Bottom Overlay "11" at 5010,1820 h35; Bottom Overlay "10" at 5090,1790 h35; Bottom Overlay "9" at 5140,1820 h35; Bottom Overlay "8" at 5210,1790 h35; Bottom Overlay "7" at 5270,1820 h35; Bottom Overlay "6" at 5340,1790 h35; Bottom Overlay "5" at 5405,1820 h35; Bottom Overlay "4" at 5475,1790 h35; Bottom Overlay "3" at 5545,1820 h35; Bottom Overlay "2" at 5610,1790 h35; Bottom Overlay "1" at 5675,1825 h35
U38B: Bottom Overlay "1" at 4375,1820 h35; Bottom Overlay "2" at 4310,1790 h35; Bottom Overlay "3" at 4240,1820 h35; Bottom Overlay "4" at 4175,1790 h35; Bottom Overlay "5" at 4110,1820 h35; Bottom Overlay "6" at 4040,1790 h35; Bottom Overlay "7" at 3970,1820 h35; Bottom Overlay "8" at 3910,1790 h35; Bottom Overlay "9" at 3840,1820 h35; Bottom Overlay "10" at 3785,1790 h35; Bottom Overlay "11" at 3715,1820 h35
U38C: Bottom Overlay "11" at 2415,1820 h35; Bottom Overlay "10" at 2485,1790 h35; Bottom Overlay "9" at 2540,1820 h35; Bottom Overlay "8" at 2610,1790 h35; Bottom Overlay "7" at 2675,1820 h35; Bottom Overlay "6" at 2745,1790 h35; Bottom Overlay "5" at 2810,1820 h35; Bottom Overlay "4" at 2875,1790 h35; Bottom Overlay "3" at 2945,1820 h35; Bottom Overlay "2" at 3010,1790 h35; Bottom Overlay "1" at 3070,1820 h35
U38D: Bottom Overlay "1" at 1770,1820 h35; Bottom Overlay "2" at 1710,1790 h35; Bottom Overlay "3" at 1645,1820 h35; Bottom Overlay "4" at 1575,1790 h35; Bottom Overlay "5" at 1510,1820 h35; Bottom Overlay "6" at 1445,1790 h35; Bottom Overlay "7" at 1375,1820 h35; Bottom Overlay "8" at 1310,1790 h35; Bottom Overlay "9" at 1240,1820 h35; Bottom Overlay "10" at 1190,1790 h35; Bottom Overlay "11" at 1110,1820 h35
U39A: Bottom Overlay "11" at 6010,490 h35; Bottom Overlay "10" at 5945,525 h35; Bottom Overlay "9" at 5865,490 h35; Bottom Overlay "8" at 5800,525 h35; Bottom Overlay "7" at 5730,490 h35; Bottom Overlay "6" at 5665,525 h35; Bottom Overlay "5" at 5600,490 h35; Bottom Overlay "4" at 5535,525 h35; Bottom Overlay "3" at 5465,490 h35; Bottom Overlay "2" at 5400,525 h35; Bottom Overlay "1" at 5330,490 h35
U39B: Bottom Overlay "1" at 4030,490 h35; Bottom Overlay "2" at 4100,525 h35; Bottom Overlay "3" at 4165,490 h35; Bottom Overlay "4" at 4235,525 h35; Bottom Overlay "5" at 4300,490 h35; Bottom Overlay "6" at 4365,525 h35; Bottom Overlay "7" at 4430,490 h35; Bottom Overlay "8" at 4500,525 h35; Bottom Overlay "9" at 4565,490 h35; Bottom Overlay "10" at 4645,525 h35; Bottom Overlay "11" at 4710,490 h35
U39C: Bottom Overlay "11" at 3410,490 h35; Bottom Overlay "10" at 3345,525 h35; Bottom Overlay "9" at 3265,490 h35; Bottom Overlay "8" at 3200,525 h35; Bottom Overlay "7" at 3130,490 h35; Bottom Overlay "6" at 3065,525 h35; Bottom Overlay "5" at 3000,490 h35; Bottom Overlay "4" at 2935,525 h35; Bottom Overlay "3" at 2865,490 h35; Bottom Overlay "2" at 2800,525 h35; Bottom Overlay "1" at 2730,490 h35
U39D: Bottom Overlay "1" at 1430,490 h35; Bottom Overlay "2" at 1500,525 h35; Bottom Overlay "3" at 1565,490 h35; Bottom Overlay "4" at 1635,525 h35; Bottom Overlay "5" at 1700,490 h35; Bottom Overlay "6" at 1765,525 h35; Bottom Overlay "7" at 1830,490 h35; Bottom Overlay "8" at 1900,525 h35; Bottom Overlay "9" at 1965,490 h35; Bottom Overlay "10" at 2045,525 h35; Bottom Overlay "11" at 2110,490 h35